# Altium PCB Room04.PcbDoc (part 2 of 2) (continued)
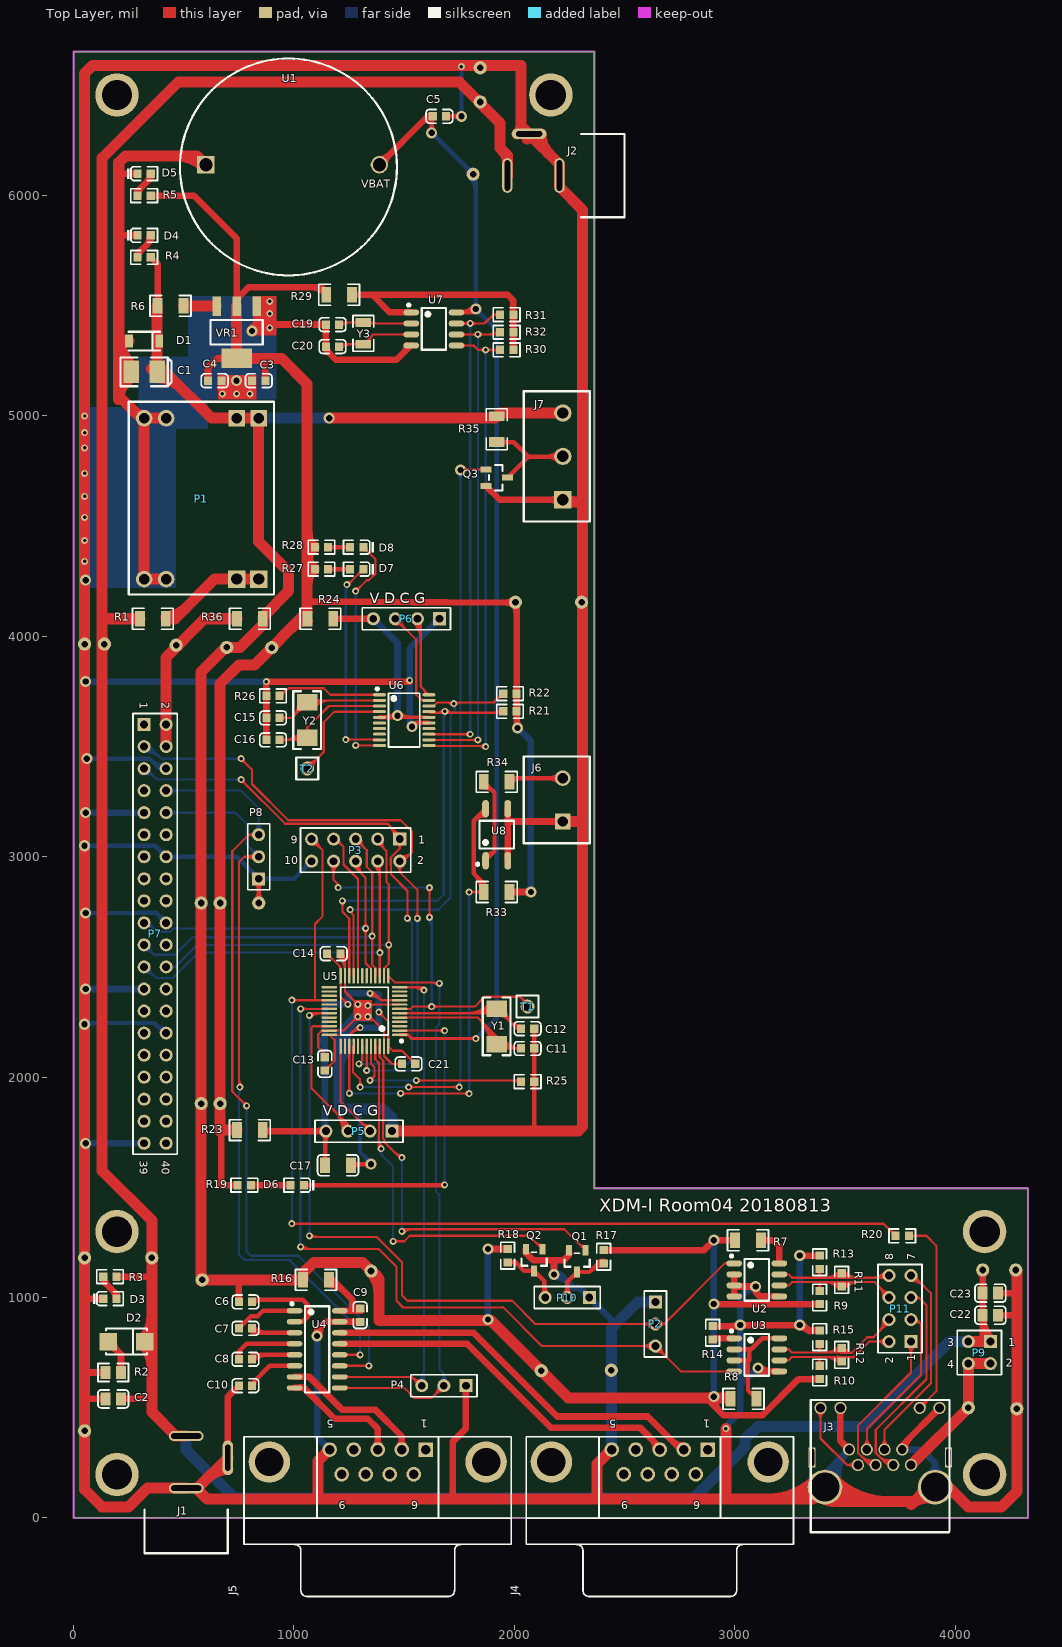
[diagram p0: Top Layer view]
## Nets (pads, with @x,y where several pads share a name; then routed paths per layer and width w, separated by ;. In a path a pad name is that pad's centre, name@x,y a point inside that pad or via, vN(x,y) a via of type N, cw(c..) or ccw(c..) an arc to the next point about the centre after c; other vN are vias at no path point) (continued)
  Bottom Layer w10: P7.8@420,3300 760,3300 840,3220 P8.3@840,3100 ; P7.8@430.27,3289.73 cw(c455.07,3264.93) 455.07,3300 cw(c455.07,3335.07) P7.8@430.27,3310.27 ; P7.8@437.34,3282.66 cw(c479.21,3240.79) 479.21,3300 cw(c479.21,3359.21) P7.8@437.34,3317.34 ; v1@777.4,1862.4 cw(c759.05,1844.05) 785,1844.05 cw(c810.95,1844.05) v1@792.6,1862.4 ; v1(785,1870) 785,1210 805,1190 1020,1190 1340,870 v1(1340,690) ; P8.3@822.66,3117.34 ccw(c780.79,3159.21) 840,3159.21 ccw(c899.21,3159.21) P8.3@857.34,3117.34 ; P8.3@829.73,3110.27 ccw(c804.93,3135.07) 840,3135.07 ccw(c875.07,3135.07) P8.3@850.27,3110.27 ; v1@1332.4,697.6 ccw(c1314.05,715.95) 1340,715.95 ccw(c1365.95,715.95) v1@1347.6,697.6
SPI1_MISO: P3.5 P7.21 U5.16 | length 2171.4
  Top Layer w10: P3.5@1280,3055.47 cw(c1280,2996.26) 1321.87,3038.13 cw(c1363.74,3080) P3.5@1304.53,3080 ; P3.5@1280,3065.47 cw(c1280,3030.4) 1304.8,3055.2 cw(c1329.6,3080) P3.5@1294.53,3080 ; P3.5@1280,3080 1330,3030 1330,2955 1355,2930 v1(1355,2640) 1355,2510.19 1369.21,2495.98 U5.16@1369.21,2459.45 ; v1@1347.4,2632.4 cw(c1329.05,2614.05) 1355,2614.05 cw(c1380.95,2614.05) v1@1362.6,2632.4 ; v1@1347.4,2647.6 ccw(c1329.05,2665.95) 1355,2665.95 ccw(c1380.95,2665.95) v1@1362.6,2647.6 ; 1363.67,2501.53 cw(c1351.51,2489.37) U5.16@1368.7,2489.37
  Bottom Layer w10: P7.21@320,2575.47 cw(c320,2516.26) 361.87,2558.13 cw(c403.74,2600) P7.21@344.53,2600 ; P7.21@320,2585.47 cw(c320,2550.4) 344.8,2575.2 cw(c369.6,2600) P7.21@334.53,2600 ; P7.21@320,2600 365,2555 460,2555 540,2635 1350,2635 v1(1355,2640) ; 1316.98,2635 ccw(c1316.98,2678.02) v1@1347.4,2647.6
SPI1_MOSI: P3.6 P7.19 U5.17 | length 1987.6
  Top Layer w10: P3.6@1275.1,2982.43 ccw(c1300.69,2969.72) 1280.49,2949.51 ; P3.6@1280,2980 1280,2950 1325,2905 1325,2517.56 1349.53,2493.04 U5.17@1349.53,2459.45 ; P3.6@1284.05,2977.99 ccw(c1313.84,2963.19) 1290.32,2939.68 ; P3.6@1293.01,2973.54 ccw(c1326.98,2956.66) 1300.16,2929.84 ; P3.6@1301.97,2969.09 ccw(c1340.13,2950.13) 1310,2920 ; v1@1317.4,2667.4 cw(c1299.05,2649.05) 1325,2649.05 cw(c1350.95,2649.05) v1@1332.6,2667.4 ; v1@1317.4,2682.6 ccw(c1299.05,2700.95) 1325,2700.95 ccw(c1350.95,2700.95) v1@1332.6,2682.6 ; 1346.06,2496.5 cw(c1338.93,2489.37) U5.17@1349.02,2489.37
  Bottom Layer w10: P7.19@320,2700 340,2700 380.53,2659.47 436.79,2659.47 452.31,2675 v1(1325,2675) ; P7.19@320.29,2695.48 cw(c323.48,2645.04) 359.22,2680.78 ; P7.19@320.92,2685.5 cw(c325.35,2615.6) 374.87,2665.13 ; v1@1317.4,2667.4 ccw(c1299.05,2649.05) 1299.05,2675 ccw(c1299.05,2700.95) v1@1317.4,2682.6
SPI1_NSS: P3.3 P7.24 U5.14 | length 1973.8
  Top Layer w10: P3.3@1380,3055.47 cw(c1380,3032.47) 1396.26,3048.74 ; P3.3@1380,3080 1380,3065 1420.53,3024.47 1420.53,2884.47 1430,2875 v1(1430,2600) 1430,2515 1430.55,2515 1408.58,2493.04 U5.14@1408.58,2459.45 ; P3.3@1393.81,3075.51 ccw(c1423.75,3065.77) 1401.49,3043.51 ; P3.3@1403.32,3072.41 ccw(c1441.16,3060.11) 1413.03,3031.97 ; U5.14@1409.09,2489.37 cw(c1419.18,2489.37) 1412.05,2496.5 ; v1@1422.4,2592.4 cw(c1404.05,2574.05) 1430,2574.05 cw(c1455.95,2574.05) v1@1437.6,2592.4 ; v1@1422.4,2607.6 ccw(c1404.05,2625.95) 1430,2625.95 ccw(c1455.95,2625.95) v1@1437.6,2607.6
  Bottom Layer w10: P7.24@420,2500 460,2500 ; P7.24@441.86,2488.88 cw(c460,2479.65) 460,2500 ; P7.24@441.86,2511.12 ccw(c460,2520.35) 460,2500 ; v1@1422.4,2592.4 ccw(c1404.05,2574.05) 1404.05,2600 ccw(c1404.05,2625.95) v1@1422.4,2607.6 ; v1(1430,2600) 560,2600 460,2500
SPI1_SCK: P3.4 P7.23 U5.15 | length 2092.7
  Top Layer w10: P3.4@1362.66,2962.66 cw(c1299.3,2899.3) 1388.9,2899.3 ; P3.4@1369.73,2969.73 cw(c1323.45,2923.45) 1388.9,2923.45 ; P3.4@1376.8,2976.8 cw(c1347.59,2947.59) 1388.9,2947.59 ; v1@1382.4,2557.4 cw(c1366.71,2541.71) 1388.9,2541.71 ; v1@1382.4,2572.6 ccw(c1366.71,2588.29) 1388.9,2588.29 ; U5.15@1388.9,2459.45 1388.9,2968.9 P3.4@1400,2980 ; 1388.9,2536.39 cw(c1418.61,2536.39) v1@1397.6,2557.4 ; 1388.9,2593.61 ccw(c1418.61,2593.61) v1@1397.6,2572.6 ; 1388.9,2942.27 cw(c1417.73,2942.27) P3.4@1397.34,2962.66
  Bottom Layer w10: P7.23@320,2475.47 cw(c320,2404.19) 370.41,2454.59 ; P7.23@320,2485.47 cw(c320,2438.33) 353.34,2471.66 ; P7.23@320,2500 325,2500 375,2450 450,2450 565,2565 v1(1390,2565) ; P7.23@344.53,2500 ccw(c391.67,2500) 358.34,2466.66 ; v1@1382.4,2557.4 ccw(c1364.05,2539.05) 1364.05,2565 ccw(c1364.05,2590.95) v1@1382.4,2572.6
SPI2_NSS: P7.26
ST103_RX: J5.3 U4.8 | length 677.3
  Top Layer w30: U4.8@1002.64,590 1045,590 1185,450 1335,450 1380,405 J5.3@1380,309.92 ; J5.3@1367.08,322.84 ccw(c1335.9,354.02) 1380,354.02 ccw(c1424.1,354.02) J5.3@1392.92,322.84 ; U4.8@1026.26,593.19 cw(c1026.26,555.65) 1052.81,582.19 ccw(c1026.26,555.65) U4.8@1026.26,593.19
ST103_TX: J5.2 U4.7 | length 728.2
  Top Layer w30: U4.7@1002.64,640 1070,640 1220,490 1370,490 1489.06,370.94 J5.2@1489.06,309.92 ; J5.2@1476.14,322.84 ccw(c1444.95,354.02) 1489.06,354.02 ccw(c1533.16,354.02) J5.2@1501.97,322.84
SWCLK_030: P6.2 U6.20 | length 605.9
  Top Layer w10: P6.2@1542.66,4062.66 cw(c1464.57,3984.57) 1575,3984.57 ; P6.2@1549.73,4069.73 cw(c1488.71,4008.71) 1575,4008.71 ; P6.2@1556.8,4076.8 cw(c1512.86,4032.86) 1575,4032.86 ; P6.2@1560,4080 1575,4065 1575,3772.36 U6.20@1612.2,3735.16 ; 1587.4,3759.96 cw(c1562.6,3735.16) U6.20@1597.68,3735.16 ; 1604.48,3742.89 cw(c1596.75,3735.16) U6.20@1607.68,3735.16
SWCLK_103: P5.2 U5.37 | length 588.9
  Top Layer w10: U5.37@1211.73,2140.55 1211.73,1888.27 P5.2@1345,1755 ; P5.2@1320.47,1755 ccw(c1261.26,1755) 1303.13,1796.87 ccw(c1345,1838.74) P5.2@1345,1779.53 ; P5.2@1330.47,1755 ccw(c1295.4,1755) 1320.2,1779.8 ccw(c1345,1804.6) P5.2@1345,1769.53
SWDIO_030: P6.3 U6.19 | length 621.1
  Top Layer w10: P6.3@1460,4055.47 cw(c1460,3996.26) 1501.87,4038.13 cw(c1543.74,4080) P6.3@1484.53,4080 ; P6.3@1460,4065.47 cw(c1460,4030.4) 1484.8,4055.2 cw(c1509.6,4080) P6.3@1474.53,4080 ; P6.3@1460,4080 1555,3985 1555,3735 1580.43,3709.57 U6.19@1612.2,3709.57 ; 1570.75,3719.25 ccw(c1589.57,3738.07) U6.19@1589.57,3711.46
SWDIO_103: P5.3 U5.34 | length 921.2
  Top Layer w10: U5.34@1160.55,2231.1 1086.1,2231.1 1080,2225 1080,1950 1245,1785 P5.3@1245,1755 ; 1181.92,1848.08 cw(c1088.83,1755) P5.3@1220.47,1755 ; 1198.99,1831.01 cw(c1122.97,1755) P5.3@1230.47,1755 ; 1216.06,1813.94 cw(c1157.12,1755) P5.3@1240.47,1755 ; 1233.13,1796.87 cw(c1191.26,1755) P5.3@1250.47,1755
U1RX: P2.2 U2.1 U5.31 | length 3808.1
  Top Layer w10: v1@1070,1275 1375,1275 1490,1160 1490,1010 1515,985 1990,985 2095,880 P2.2@2640,880 2680,880 ; v1(1070,2280) v1@1070,2280.16 ; v1@1070.53,2279.47 cw(c1096.33,2253.67) 1096.33,2290.16 ; v1@1077.6,1287.6 ccw(c1108.02,1318.02) 1108.02,1275 ; v1@1077.6,2272.4 cw(c1120.47,2229.53) 1120.47,2290.16 ; v1@1080,2290.16 U5.31@1160.55,2290.16 ; P2.2@2622.66,862.66 ccw(c2580.79,820.79) 2580.79,880 ccw(c2580.79,939.21) P2.2@2622.66,897.34 ; P2.2@2629.73,869.73 ccw(c2604.93,844.93) 2604.93,880 ccw(c2604.93,915.07) P2.2@2629.73,890.27 ; P2.2@2661.86,868.88 cw(c2680,859.65) 2680,880 ; P2.2@2661.86,891.12 ccw(c2680,900.35) 2680,880 ; U2.1@2969.73,1148.84 ccw(c2955,1134.32) 2955,1155 ; U2.1@2969.73,1161.16 cw(c2955,1175.68) 2955,1155 ; U2.1@2997.64,1155 2955,1155 ; 2680,880 2955,1155
  Bottom Layer w10: v1@1062.4,1287.6 ccw(c1044.05,1305.95) 1070,1305.95 ccw(c1095.95,1305.95) v1@1077.6,1287.6 ; v1@1062.4,2272.4 cw(c1044.05,2254.05) 1070,2254.05 cw(c1095.95,2254.05) v1@1077.6,2272.4 ; v1@1065,1285 1060,1280 v1(1070,1280) v1(1070,2280)
U1TX: P2.3 U3.4 U5.30 | length 4029.6
  Top Layer w10: v1(1030,1230) 1040,1220 1385,1220 1465,1140 1465,985 1495,955 1944.93,955 1947.47,957.53 2125,780 P2.3@2640,780 2755,665 U3.4@2997.64,665 ; v1(1030.16,2309.84) U5.30@1160.55,2309.84 ; v1@1030.53,1230.53 ccw(c1055.95,1255.95) 1055.95,1220 ; v1@1037.6,1237.6 ccw(c1080.09,1280.09) 1080.09,1220 ; v1@1037.76,2302.24 cw(c1056.11,2283.89) 1056.11,2309.84 cw(c1056.11,2335.79) v1@1037.76,2317.44 ; P2.3@2622.66,762.66 ccw(c2580.79,720.79) 2580.79,780 ccw(c2580.79,839.21) P2.3@2622.66,797.34 ; P2.3@2629.73,769.73 ccw(c2604.93,744.93) 2604.93,780 ccw(c2604.93,815.07) P2.3@2629.73,790.27 ; P2.3@2640,755.47 cw(c2640,696.26) 2681.87,738.13 cw(c2723.74,780) P2.3@2664.53,780 ; P2.3@2640,765.47 cw(c2640,730.4) 2664.8,755.2 cw(c2689.6,780) P2.3@2654.53,780 ; U3.4@2969.78,658.79 ccw(c2954.79,643.8) 2954.79,665 ccw(c2954.79,686.2) U3.4@2969.78,671.21
  Bottom Layer w10: v1@1022.4,1237.6 ccw(c1008.27,1251.73) 1028.25,1251.73 ; v1@1022.56,2302.24 cw(c1008.81,2288.49) 1028.25,2288.49 ; 1028.25,1260.17 ccw(c1060.17,1260.17) v1@1037.6,1237.6 ; 1028.25,2279.29 cw(c1060.71,2279.29) v1@1037.76,2302.24 ; v1@1028.25,2306.75 1028.25,1231.75 v1(1030,1230)
U2RX: P4.2 U4.9 U5.13 | length 2978.5
  Top Layer w10: U4.9@1207.36,590 1500,590 1545,545 1625,545 P4.2@1680,600 ; U4.9@1235.8,585.18 cw(c1247.43,573.56) 1247.43,590 cw(c1247.43,606.44) U4.9@1235.8,594.82 ; U5.13@1428.27,2459.45 1457.72,2430 1635,2430 1640,2425 ; v1@1651.04,2419.07 ccw(c1640,2411.77) 1640,2425 ; v1@1651.04,2430.93 cw(c1640,2438.23) 1640,2425 ; P4.2@1655.47,600 cw(c1596.26,600) 1638.13,558.13 cw(c1680,516.26) P4.2@1680,575.47 ; v1(1660,2425) 1640,2425 ; P4.2@1665.47,600 cw(c1630.4,600) 1655.2,575.2 cw(c1680,550.4) P4.2@1680,585.47
  Bottom Layer w10: v1@1652.4,2417.4 cw(c1634.05,2399.05) 1660,2399.05 cw(c1685.95,2399.05) v1@1667.6,2417.4 ; v1(1660,2425) 1660,2240 1645,2225 1645,1480 1660,1465 1660,675 1680,655 ; P4.2@1663.61,618.25 ccw(c1630.61,655) 1680,655 ; P4.2@1670.29,610.81 ccw(c1650.74,632.57) 1680,632.57 ccw(c1709.26,632.57) P4.2@1689.71,610.81 ; P4.2@1680,600 1680,655 ; P4.2@1696.39,618.25 cw(c1729.39,655) 1680,655
U2TX: P4.3 U4.10 U5.12 | length 2769.2
  Top Layer w10: U4.10@1207.36,640 1535,640 1575,600 P4.3@1580,600 ; U4.10@1235.8,635.18 cw(c1247.43,623.56) 1247.43,640 cw(c1247.43,656.44) U4.10@1235.8,644.82 ; U5.12@1479.45,2408.27 1576.73,2408.27 v1(1590,2395) ; 1532.02,2408.27 cw(c1532.02,2337.02) v1@1582.4,2387.4 ; 1537.5,637.5 ccw(c1570.39,670.39) P4.3@1576.68,624.3 ; 1541.66,633.34 cw(c1508.33,600) P4.3@1555.47,600 ; 1551.75,623.25 ccw(c1573.82,645.31) P4.3@1578.04,614.39 ; 1556.16,2408.27 cw(c1556.16,2361.16) v1@1589.47,2394.47 ; 1580.3,2408.27 cw(c1580.3,2385.3) v1@1596.54,2401.54
  Bottom Layer w10: P4.3@1562.66,617.34 ccw(c1496.64,683.36) 1590,683.36 ; P4.3@1569.73,610.27 ccw(c1520.79,659.21) 1590,659.21 ; P4.3@1576.8,603.2 ccw(c1544.93,635.07) 1590,635.07 ccw(c1615.07,635.07) P4.3@1597.34,617.34 ; v1@1582.4,2387.4 cw(c1564.05,2369.05) 1590,2369.05 cw(c1615.95,2369.05) v1@1597.6,2387.4 ; P4.3@1590,600 v1(1590,2395)
U3RX: R21.1 U5.22 U6.17 | length 2318.9
  Top Layer w10: v1@1212.4,2792.4 cw(c1194.05,2774.05) 1220,2774.05 cw(c1245.95,2774.05) v1@1227.6,2792.4 ; v1(1220,2800) 1220,2750 1251.1,2718.9 U5.22@1251.1,2459.45 ; U6.17@1612.2,3658.39 1617.34,3653.25 1942.94,3653.25 R21.1@1948.07,3658.39 ; U6.17@1636.18,3659.72 ccw(c1651.8,3675.34) 1651.8,3653.25 ; 1642.76,3653.25 ccw(c1642.76,3702.24) v1@1677.4,3667.6 ; 1666.9,3653.25 ccw(c1666.9,3678.1) v1@1684.47,3660.53 ; v1@1685.53,3660.53 ccw(c1703.1,3678.1) 1703.1,3653.25 ; v1@1692.6,3667.6 ccw(c1727.24,3702.24) 1727.24,3653.25 ; 1903.64,3653.25 ccw(c1903.64,3705.06) R21.1@1940.28,3668.43 ; 1927.79,3653.25 ccw(c1927.79,3680.92) R21.1@1947.35,3661.35 ; R21.1@1931.47,3653.25 cw(c1931.47,3640.8) R21.1@1940.28,3649.61
  Bottom Layer w10: v1(1220,2800) 1650,2800 1680,2830 1680,3655 v1(1685,3660) ; v1@1227.6,2792.4 cw(c1245.95,2774.05) 1245.95,2800 cw(c1245.95,2825.95) v1@1227.6,2807.6 ; 1680,3621.98 cw(c1723.02,3621.98) v1@1692.6,3652.4
U3TX: R22.1 U5.21 U6.18 | length 2231.7
  Top Layer w10: v1(1255,2760) 1255,2750 1270.79,2734.21 U5.21@1270.79,2459.45 ; v1@1264.1,2754.27 ccw(c1274.38,2747.8) 1265.79,2739.21 ; U6.18@1612.2,3683.98 1634.55,3683.98 1650.58,3700 1905,3700 R22.1@1945,3740 ; 1686.98,3700 cw(c1686.98,3656.98) v1@1717.4,3687.4 ; v1@1732.6,3687.4 cw(c1763.02,3656.98) 1763.02,3700 ; 1917.29,3712.29 cw(c1949.69,3679.9) R22.1@1949.69,3725.71 ; 1930.98,3725.98 ccw(c1917.94,3739.02) R22.1@1936.38,3739.02
  Bottom Layer w10: v1(1255,2760) 1655,2760 1710,2815 1710,3645 1730,3665 1730,3680 1725,3685 v1(1725,3695) ; v1@1262.6,2752.4 cw(c1280.95,2734.05) 1280.95,2760 cw(c1280.95,2785.95) v1@1262.6,2767.6 ; v1@1718.8,3686.22 cw(c1703.51,3664.59) 1730,3664.59
V3.3: C3.2 C4.2 pad.6 pad.9 pad.15 pad.16 R5.2 R19.2 R21.2 R22.2 R23.1 R24.1 R27.2 R28.2 R29.1 R33.2 VR1.2 | length 9575.6
  Top Layer w30: R5.2@350.32,6000 545,6000 740,5805 VR1.2@740,5498.11 ; C4.2@609.68,5160 609.68,5219.69 651.89,5261.89 ; 670,1760 670,1510 R19.2@744.68,1510 ; VR1.2@693.14,5243.21 ccw(c651.89,5207.01) 651.89,5261.89 ; VR1.2@693.14,5280.56 cw(c651.89,5316.77) 651.89,5261.89 ; VR1.2@740,5261.89 651.89,5261.89 ; VR1.2@740,5530 795,5585 1111.34,5585 ; VR1.2@744.69,5521.73 cw(c775.96,5521.73) 753.84,5543.84 ; 833.11,5261.89 870.32,5224.69 C3.2@870.32,5160 ; 1066.75,4158.25 2010.32,4152.94 R22.2@2010.32,3740 R21.2@2010.32,3660 2010.32,3589.68 v2(2015,3585) ; 1076.19,5585 cw(c1076.19,5493.04) R29.1@1141.22,5558.07 ; 1117.93,5578.4 ccw(c1138.97,5599.44) R29.1@1144.9,5570.29 ; R29.1@1130.34,5566 1111.34,5585 ; R29.1@1139.22,5561.86 ccw(c1111.34,5556.64) 1111.34,5585 ; 1963.87,4153.2 ccw(c1964.11,4196.35) pad.16@1994.45,4165.67 ; 1973.68,4153.14 cw(c1973.52,4123.87) pad.16@1994.33,4144.45 ; R33.2@1978.66,2840 v2(2075,2840) ; pad.16@1994.39,4144.39 cw(c1955.95,4105.95) 2010.32,4105.95 ; 2010.32,3620.45 ccw(c2050.45,3620.45) v2@2022.07,3592.07
  Top Layer w50: 665,1755 665,3785 750,3870 820,3870 1060,4110 1060,4165 ; 670,1760 R23.1@741.34,1760 ; VR1.2@727.05,5274.83 ccw(c695.8,5306.09) 740,5306.09 ccw(c784.2,5306.09) VR1.2@752.95,5274.83 ; VR1.2@740,5498.11 VR1.2@740,5261.89 833.11,5261.89 943.11,5261.89 1060,5145 1060,4165 ; 990.03,4040.03 cw(c1061.34,3968.72) R24.1@1061.34,4069.57 ; 1060,4236.44 cw(c1162.26,4236.44) R27.2@1089.95,4308.75 ; 1060,4336.44 cw(c1162.26,4336.44) R28.2@1089.95,4408.75 ; 1060,4373.56 ccw(c1162.26,4373.56) R27.2@1089.95,4301.25 ; 1060,4473.56 ccw(c1162.26,4473.56) R28.2@1089.95,4401.25 ; 1066.75,4158.25 1060,4165 ; VR1.2@778.54,5248.94 cw(c809.79,5217.69) 809.79,5261.89 ; VR1.2@778.54,5248.94 cw(c809.79,5217.69) 809.79,5261.89 ; VR1.2@778.54,5248.94 cw(c809.79,5217.69) 809.79,5261.89 ; VR1.2@778.54,5274.83 ccw(c809.79,5306.09) 809.79,5261.89 ; VR1.2@778.54,5274.83 ccw(c809.79,5306.09) 809.79,5261.89 ; VR1.2@778.54,5274.83 ccw(c809.79,5306.09) 809.79,5261.89
  Bottom Layer w30: v2(2015,3585) 2075,3525 v2(2075,2840)
V5: C1.1 C6.2 D1.2 J7.3 P1.5 P1.6 pad.0@584,1080 pad.4 pad.5 pad.7 pad.10 pad.14 R4.2 R6.1 R7.1 R8.1 R9.2 R10.2 R16.2 R17.2 R18.2 R35.2 R36.2 | length 12936
  Top Layer w30: R4.2@350.32,5720 381.34,5688.98 R6.1@381.34,5500 ; C6.2@749.68,980 749.68,1079.68 ; v2(1880,1220) 1905,1220 1905.32,1220.32 R18.2@1970,1220.32 ; R17.2@2405,1215.32 2860.32,1215.32 v2(2905,1260) R7.1@3001.34,1260 ; v2@2885.88,555.87 ccw(c2919.9,545.43) 2894.74,520.26 ; v2(2905,550) 2905,545 2905,510 2950,465 3125,465 3289.68,629.68 R10.2@3385,629.68 ; v2(2905,970) 2906,969 3384.32,969 R9.2@3385,969.68 ; v2@2912.07,977.07 ccw(c2931.56,996.56) 2931.56,969 ; v2@2914.56,547.07 ccw(c2973.86,528.87) 2930,485
  Top Layer w50: C1.1@353.36,5214.34 cw(c376.93,5186.74) C1.1@402.6,5212.4 ; C1.1@379.06,5173.82 cw(c379.06,5023.83) 485.11,5129.89 ; C1.1@379.06,5200 R6.1@379.06,5497.72 ; C1.1@379.06,5223.82 cw(c379.06,5194.54) C1.1@399.76,5215.24 ; C1.1@385.83,5176.32 cw(c412.17,5145.48) 440.85,5174.15 ; 415,5200 625,4990 P1.6@740,4990 P1.5@840,4990 840,4430 975,4295 975,4205 R36.2@858.66,4088.66 ; pad.0@579,1075 579,3839 690,3950 755,3950 858.66,4053.66 R36.2@858.66,4080 ; pad.0@584,1080 R16.2@1041.34,1080 1041.34,1111.34 1090,1160 1310,1160 1385,1085 1385,895 1895,895 2245,545 2905,545 R8.1@2970,545 ; R16.2@1038.58,1093.19 cw(c1075.75,1093.19) 1049.47,1119.47 ; v2(1160,4990) 1911.34,4990 1935.04,5013.7 J7.3@2220,5013.7 ; pad.5@1346.24,1116.69 cw(c1252.66,1023.11) 1385,1023.11 ; pad.5@1348.72,1115.34 cw(c1339.04,1070.41) 1385,1070.41 ; R35.2@1931.24,5000.61 cw(c1962.84,4969.01) 1962.84,5013.7
  Bottom Layer w30: v2(1880,900) v2(1880,1220) ; v2(2905,550) v2(2905,970) v2(2905,1260)
  Bottom Layer w50: P1.5@840,4990 v2(1160,4990)
V12: C2.2 C22.2 C23.2 D2.2 J1.1 J2.1 P9.1 P9.3 pad.1@355,1180 pad.2@4124.96,1125 pad.12 pad.19 R1.1 R3.2 | length 13767.2
  Top Layer w30: R3.2@195.32,1095 350,1095 ; C2.2@215.04,540 350,540 ; pad.2@4114.35,1114.39 cw(c4088.75,1088.79) 4124.96,1088.79 cw(c4161.17,1088.79) pad.2@4135.57,1114.39 ; 4124.96,800.04 C22.2@4124.96,920 pad.2@4124.96,1125 ; 4124.96,847.24 ccw(c4207.24,847.24) P9.1@4149.06,789.06 ; C22.2@4124.96,919.67 ccw(c4279.67,919.67) P9.1@4170.27,810.27
  Top Layer w50: 130,3928.79 cw(c176.21,3928.79) pad.12@143.54,3961.46 ; 130,4001.21 ccw(c176.21,4001.21) pad.12@143.54,3968.54 ; 135,4080 R1.1@301.34,4080 ; D2.2@312.52,789.84 cw(c209.95,687.27) 355,687.27 ; D2.2@312.52,810.16 ccw(c209.95,912.73) 355,912.73 ; J1.1@511.02,371.5 463.5,371.5 355,480 pad.1@355,1180 355,1350 130,1575 130,6170 475,6515 1750,6515 1935,6330 1935,6215 1968.5,6181.5 J2.1@1968.5,6091.02 ; 1945.86,6204.14 cw(c1887.86,6146.14) J2.1@1969.88,6146.14 ; P9.3@4060,800 P9.1@4160,800
  Bottom Layer w50: J1.1@511.02,371.5 511.02,308.98 730,90 2815,90 3047.5,322.5 3047.5,357.5 3105,415 3590,415 3975,800 P9.3@4060,800
V12_OUT: J3.1 P9.2 P9.4 pad.0@4060,500 | length 667.7
  Top Layer w50: J3.1@3800,240 pad.0@4060,500 P9.4@4060,700 P9.2@4160,700
VBAT: C5.2 pad.20 U1.2 U5.1 U7.8 | length 5865.4
  Top Layer w15: U5.1@1479.45,2191.73 1518.27,2191.73 1535,2175 v1(1825,2175) ; v1@1819.17,2169.17 ccw(c1805.09,2155.09) 1805.09,2175 ccw(c1805.09,2194.91) v1@1819.17,2180.83
  Top Layer w20: v2@1614.39,6295.61 ccw(c1588.79,6321.21) 1625,6321.21 ccw(c1661.21,6321.21) v2@1635.61,6295.61 ; v2(1625,6285) C5.2@1625,6355.31 ; 1625,6327.65 cw(c1661.05,6327.65) C5.2@1635.56,6353.14 ; U7.8@1737.36,5470 1810,5470 v2(1825,5485) ; U7.8@1752.57,5470 ccw(c1752.57,5557.43) v2@1814.39,5495.61 ; 1800.86,5470 ccw(c1800.86,5509.14) v2@1828.54,5481.46
  Top Layer w30: U1.2@1387.4,6140 1607.4,6360 C5.2@1629.68,6360 ; U1.2@1387.4,6164.37 ccw(c1387.4,6223.2) 1429,6181.6 ccw(c1470.61,6140) U1.2@1411.77,6140 ; 1584.32,6336.92 cw(c1629.68,6291.55) C5.2@1629.68,6355.71 ; 1596.26,6348.86 cw(c1619.08,6326.04) C5.2@1628.7,6356.84
  Bottom Layer w20: v2@1625,6270 cw(c1625,6233.79) 1650.61,6259.39 cw(c1676.21,6285) v2@1640,6285 ; v2(1625,6285) 1825,6085 v2(1825,5485) 1920,5390 1920,2270 v1(1825,2175) ; pad.20@1792.78,6097.22 ccw(c1744.49,6097.22) 1778.63,6131.37 ccw(c1812.78,6165.51) pad.20@1812.78,6117.22 ; pad.20@1798.63,6083.08 cw(c1734.98,6019.43) 1825,6019.43 ; pad.20@1812.78,6097.22 cw(c1783.27,6067.71) 1825,6067.71 ; v2@1814.39,5495.61 ccw(c1788.79,5521.21) 1825,5521.21 ccw(c1861.21,5521.21) v2@1835.61,5495.61 ; v2@1825,5470 cw(c1825,5433.79) 1850.61,5459.39 cw(c1876.21,5485) v2@1840,5485
VCC_030: P6.4 R24.2 U6.5 U6.16 | length 1115.6
  Top Layer w15: v2@1470,3632.8 U6.16@1612.2,3632.8 ; v2@1482.37,3627.63 cw(c1494.85,3615.15) 1494.85,3632.8 ; v2@1482.37,3652.37 ccw(c1529.64,3699.64) 1529.64,3632.8
  Top Layer w20: U6.5@1387.8,3632.8 v2@1470,3632.8 ; U6.5@1416.39,3632.8 ccw(c1416.39,3693.61) v2@1459.39,3650.61
  Top Layer w30: R24.2@1178.66,4080 P6.4@1360,4080 ; P6.4@1349.73,4069.73 ccw(c1324.93,4044.93) 1324.93,4080 ccw(c1324.93,4115.07) P6.4@1349.73,4090.27
  Bottom Layer w30: P6.4@1360,4065.47 cw(c1360,4030.4) 1384.8,4055.2 cw(c1409.6,4080) P6.4@1374.53,4080 ; P6.4@1360,4080 1470,3970 v2(1470,3640)
VCC_103: C13.2 C14.1 C17.2 C18.2 C21.1 P5.4 R23.2 U5.9 U5.24 U5.36 U5.48 | length 3502.8
  Top Layer w10: C13.2@1140,2029.68 1185,2074.68 1185,2167.28 U5.36@1160.55,2191.73 1251.73,2191.73 1285,2225 v1(1300,2225) ; C13.2@1140.98,2042.99 ccw(c1140.98,2072.74) 1162.02,2051.71 ; C14.1@1149.68,2545.71 cw(c1149.68,2510.45) 1174.62,2535.38 ; C14.1@1149.68,2560 1150,2560 1211.73,2498.27 U5.24@1211.73,2459.45 1211.73,2363.27 v1(1245,2330) ; C13.2@1154.29,2029.68 cw(c1188.79,2029.68) 1164.4,2054.08 ; C14.1@1162.99,2559.02 ccw(c1191.98,2559.02) 1171.48,2538.52 ; 1204.57,2505.43 cw(c1188.5,2489.37) U5.24@1211.22,2489.37 ; v1@1234.25,2330 ccw(c1208.3,2330) 1226.65,2348.35 ccw(c1245,2366.7) v1@1245,2340.75 ; 1256.05,2196.05 cw(c1300,2152.09) v1@1300,2214.25 ; 1273.12,2213.12 cw(c1300,2186.23) v1@1300,2224.25 ; v1@1345,2369.25 cw(c1345,2295.02) 1397.49,2347.51 ; v1@1345,2379.25 cw(c1345,2329.16) 1380.42,2364.58 ; v1(1345,2380) 1365,2380 ; v1@1345,2389.25 cw(c1345,2363.3) 1363.35,2381.65 ; v1@1345.46,2379.41 cw(c1355.43,2366.5) 1366.96,2378.04 ; v1@1351.57,2371.5 cw(c1362.44,2357.44) 1375,2370 ; v1@1353.96,2374.07 cw(c1365,2366.77) 1365,2380 ; v1@1353.96,2385.93 ccw(c1365,2393.23) 1365,2380 ; v1@1385,2284.25 cw(c1385,2258.3) 1403.35,2276.65 cw(c1421.7,2295) v1@1395.75,2295 ; v1(1385,2295) 1428.27,2251.73 U5.48@1428.27,2140.55 1448.82,2120 1490.32,2120 C21.1@1550.32,2060 ; U5.9@1479.45,2349.21 1395.79,2349.21 1365,2380 ; 1525.92,2084.4 ccw(c1550.32,2108.79) C21.1@1550.32,2074.29 ; 1528.29,2082.02 cw(c1507.26,2060.98) C21.1@1537.01,2060.98
  Top Layer w20: P5.4@1131.19,1741.19 cw(c1106.7,1716.7) 1141.34,1716.7 ; C17.2@1132.68,1621.85 ccw(c1111.78,1642.75) 1141.34,1642.75 ccw(c1170.9,1642.75) C17.2@1150,1621.85 ; C17.2@1141.34,1600 1141.34,1751.34 P5.4@1145,1755 ; 1141.34,1699.02 cw(c1200.98,1699.02) P5.4@1158.81,1741.19
  Top Layer w30: R23.2@863.66,1755 P5.4@1145,1755 ; R23.2@863.78,1765.12 ccw(c888.22,1789.56) 888.22,1755 ; P5.4@1134.73,1744.73 ccw(c1109.93,1719.93) 1109.93,1755 ccw(c1109.93,1790.07) P5.4@1134.73,1765.27
  Bottom Layer w30: C18.2@1121.22,2121.69 cw(c1075.87,2076.34) 1140,2076.34 ; C18.2@1121.22,2158.31 ccw(c1075.87,2203.66) 1140,2203.66 ; 1140,1802.14 ccw(c1192.14,1802.14) P5.4@1155.27,1765.27 ; P5.4@1145,1755 1140,1760 1140,2330 v1(1245,2330) 1245,2380 v1(1345,2380) 1350,2375 1385,2375 v1(1385,2295) 1385,2225 v1(1300,2225)
VCC_1302: R29.2 R30.1 R31.1 R32.1 U7.1 | length 1177.6
  Top Layer w30: R29.2@1263.66,5550 1355,5550 ; U7.1@1532.64,5470 1435,5470 1355,5550 ; R30.1@1995.31,5300 R32.1@1995.31,5380 R31.1@1995.31,5460 1995.31,5524.69 1970,5550 1355,5550
VCC_R: P7.2 P7.4 pad.13 R36.1 | length 798.8
  Top Layer w50: P7.4@420,3500 P7.2@420,3600 420,3905 595,4080 R36.1@741.34,4080
pads on no net: J3.0 J4.1 J4.4 J4.6 J4.7 J4.8 J4.9 J4.10 J4.11 J5.1 J5.4 J5.6 J5.7 J5.8 J5.9 J5.10 J5.11 P7.1 P7.7 P7.11 P7.12 P7.13 P7.15 P7.16 P7.17 P7.18 P7.27 P7.28 P7.29 P7.31 P7.32 P7.33 P7.34 P7.35 P7.36 P7.37 P7.38 P7.40 U5.3 U5.4 U5.25 U5.26 U5.27 U5.29 U5.32 U5.33 U5.38 U6.6 U6.7 U6.8 U6.14

## Polygon pours and split planes (outlines as drawn)
GND on Bottom Layer "Top Layer-No Net" (hatched 90Degree grid 15 track 10, pour order 1000): 0,6653.54 2362.2,6653.54 2362.2,1496.06 4330.71,1496.06 4330.71,0 0,0

## Keep-outs
Keep-Out Layer:
  the board outline again, w9.84

## Other copper
Top Layer:
  rectangle net GND: 655,5075 830,5185
  rectangle net GND: 815,5365 920,5545
  rectangle net GND: 1270,2255 1355,2350
Bottom Layer:
  rectangle net GND: 25,4220 465,5040
  rectangle net GND: 520,5075 920,5545
  rectangle net GND: 295,4940 610,5270
  rectangle net GND: 1270,2250 1355,2350

## Silkscreen, mask and mechanical layers (free items; w line width, h text height)
Top Overlay:
  text "VBAT" at 1305,6035 h36
  text "V D C G" at 1345,4150 h48
  text "V D C G" at 1130,1825 h48
  text "XDM-I Room04 20180813" at 2385,1390 h60
Bottom Overlay:
  text "ST103" at 1515,45 h60
  text "RASPI" at 2790,35 h60

## Text inside footprints (layer, text, board x,y; h text height)
J4: Top Overlay "6" at 2843.27,75.87 h36 r180; Top Overlay "9" at 2516.1,75.87 h36 r180; Top Overlay "5" at 2461.57,445.94 h36 r180; Top Overlay "1" at 2887.95,445.94 h36 r180
J5: Top Overlay "6" at 1563.27,75.87 h36 r180; Top Overlay "9" at 1236.1,75.87 h36 r180; Top Overlay "5" at 1181.57,445.94 h36 r180; Top Overlay "1" at 1607.95,445.94 h36 r180
P3: Top Overlay "10" at 955,2965 h36; Top Overlay "9" at 985,3060 h36; Top Overlay "1" at 1565,3060 h36; Top Overlay "2" at 1560,2965 h36
P7: Top Overlay "1" at 300,3700 h36 r270; Top Overlay "2" at 400,3700 h36 r270; Top Overlay "40" at 400,1620 h36 r270; Top Overlay "39" at 300,1620 h36 r270
P9: Top Overlay "1" at 4240,780 h36; Top Overlay "2" at 4230,685 h36; Top Overlay "4" at 3965,680 h36; Top Overlay "3" at 3965,780 h36
P11: Top Overlay "2" at 3720,700 h36 r90; Top Overlay "1" at 3820,710 h36 r90; Top Overlay "7" at 3820,1170 h36 r90; Top Overlay "8" at 3720,1170 h36 r90